# KiCad board Thermal_Camera.kicad_pcb (continued)
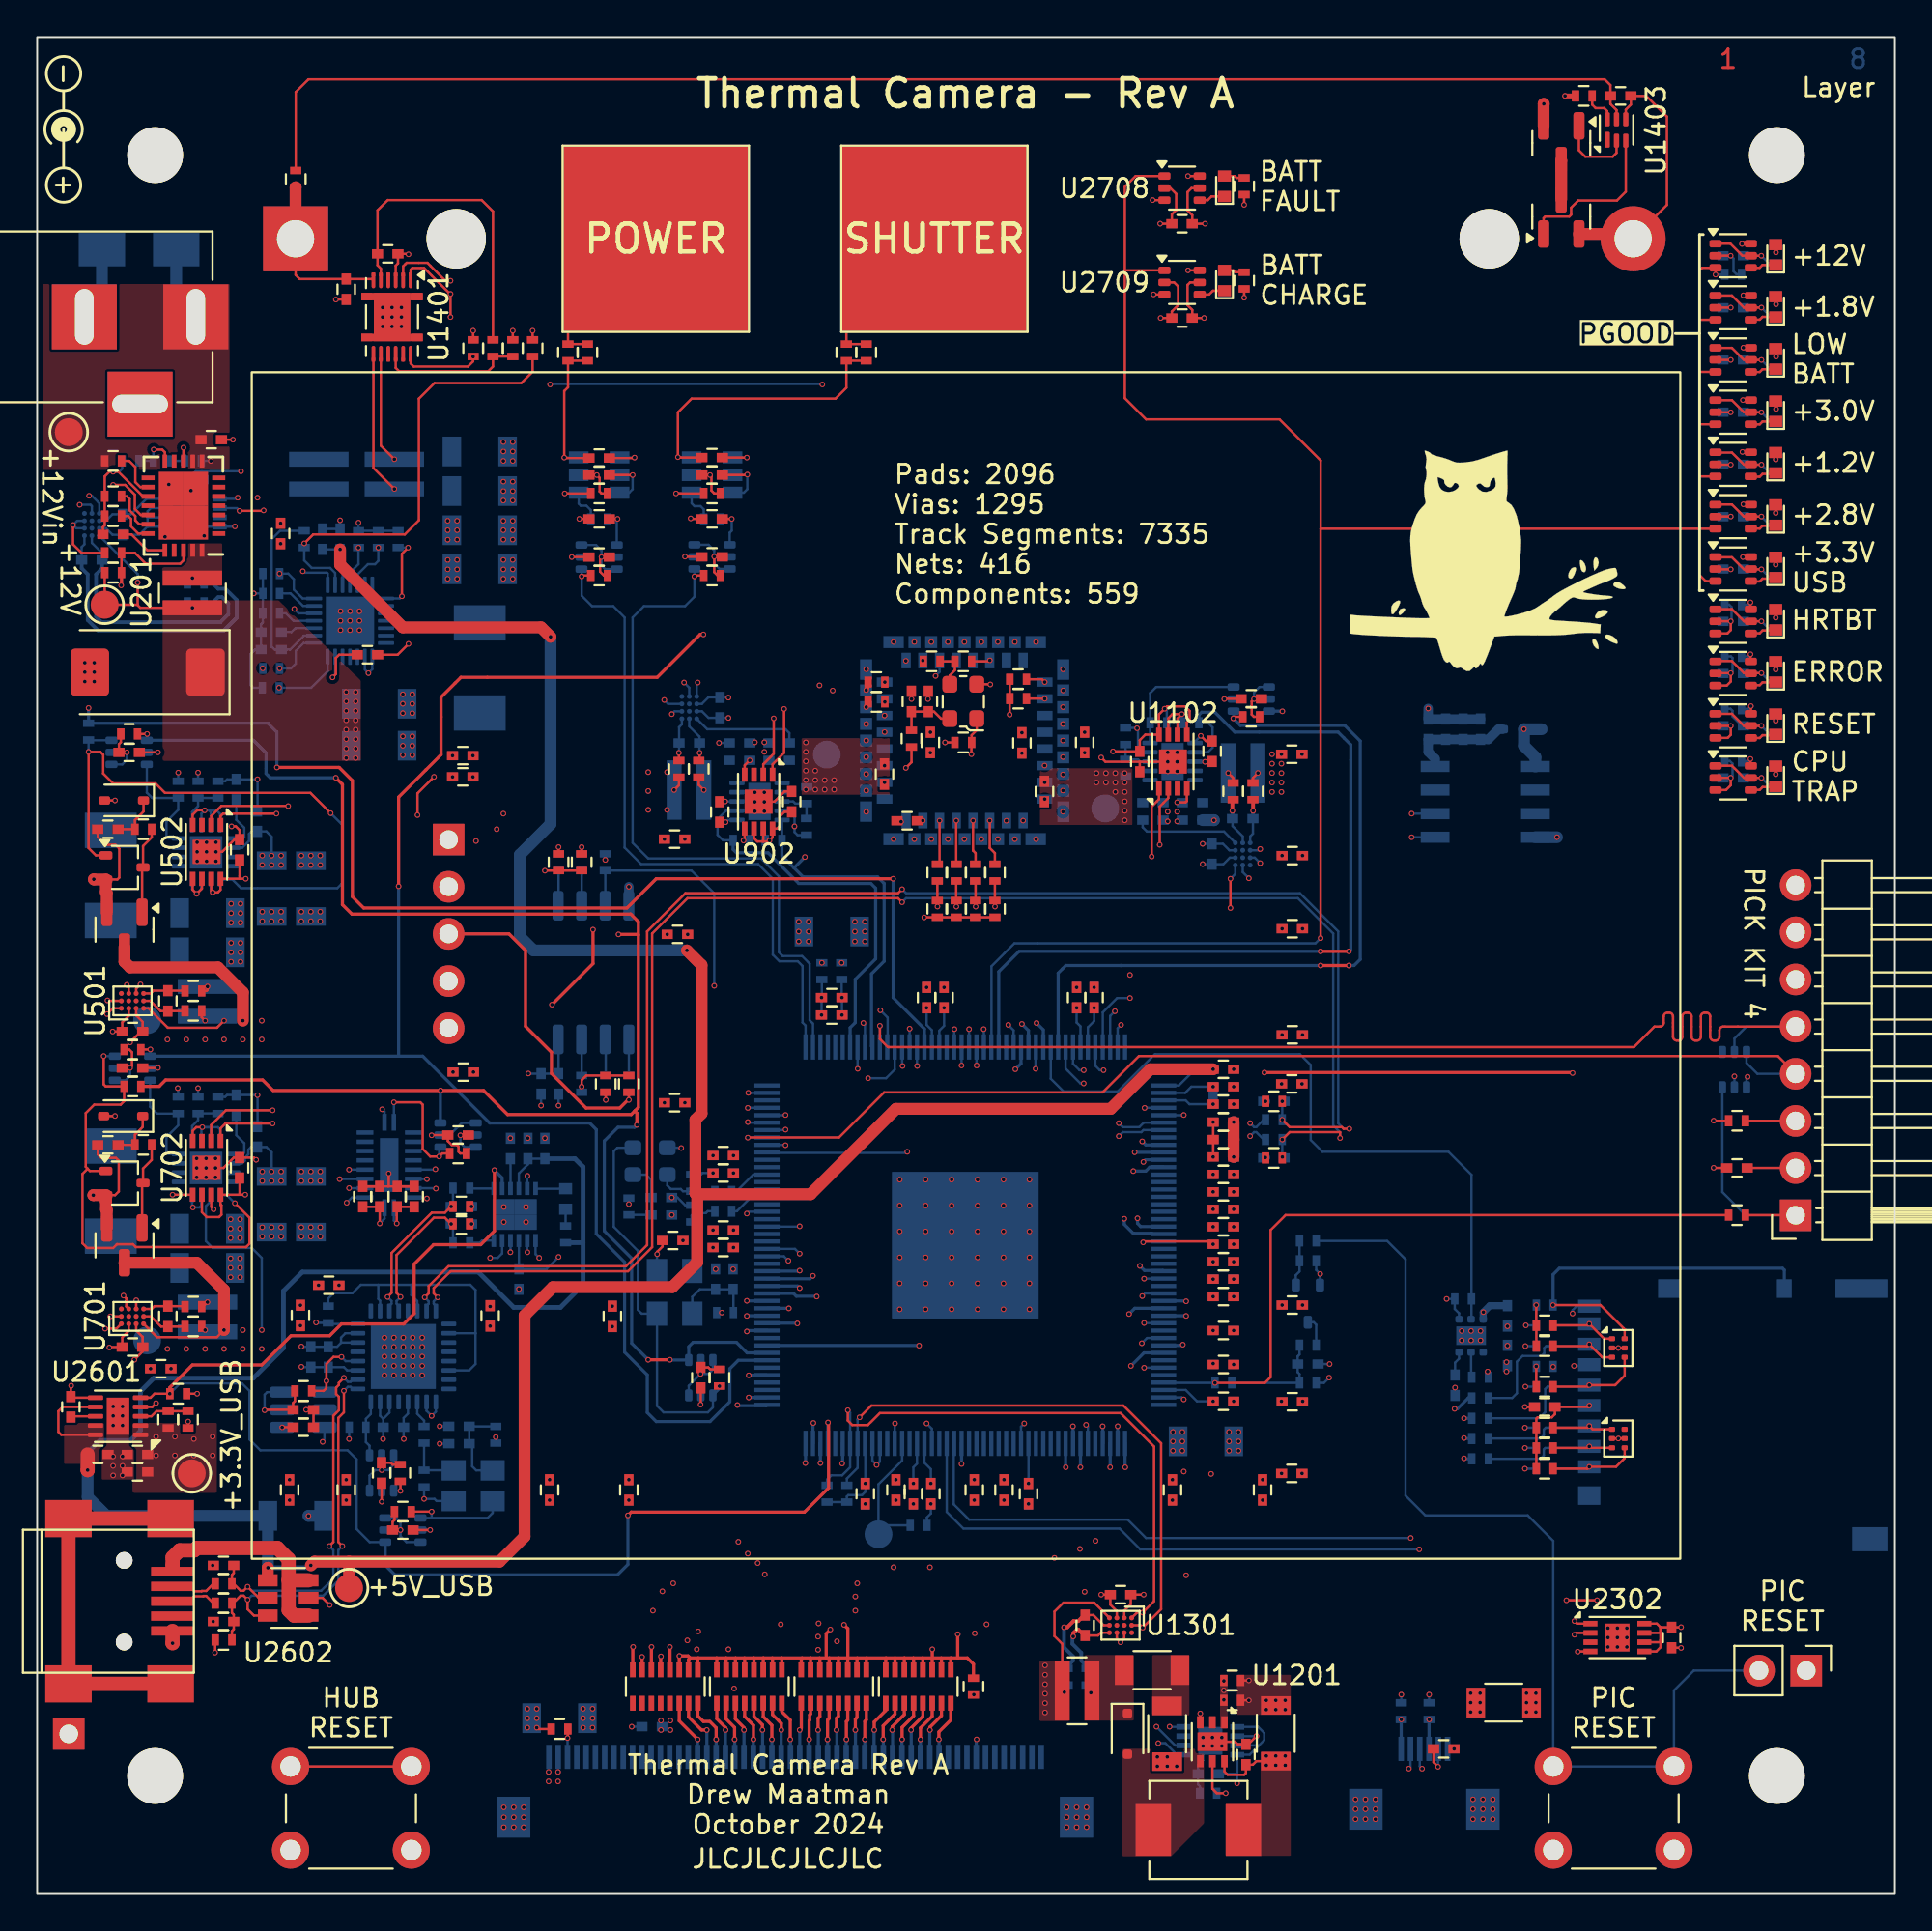
[diagram p0: board, top side]
## Routing (per net, layer and track width the routed paths; a pad name or vN(x,y) marks a point on that pad's centre or on a via; arc(x,y) is an arc through that point) (continued)
GNDA_MZ: length 1.9
  Bottom w0.127: v1(43.32,47.33) v1(43.32,48.27) 43.31,48.29 L1702.1
VBAT: length 14.7
  Top w0.127: U1401.8 18.5,77.99 v1(19.23,77.27) ; J1401.1 13.91,87.19 14.13,86.97 C1401.1 18.03,86.97 U1401.6
  Top w0.635: R1415.2 13.91,91.91 J1401.1
/Upstream USB Port/UFP_USB_CONN_USB+: length 2.6
  Top w0.127: J2601.3 8.19,15.76 8.45,16.03 8.95,16.03 8.97,16.05 9.1,16.05 9.48,15.66 R2602.1
/Upstream USB Port/UFP_USB_CONN_USB-: length 2.6
  Top w0.127: J2601.2 8.19,16.56 8.45,16.3 8.84,16.3 8.86,16.31 9.1,16.31 9.48,16.7 R2603.1
/USB UART/BRIDGE_USB+: length 1.3
  Bottom w0.127: U2201.12 23.95,35.19 23.83,35.06 23.28,35.06
/USB UART/BRIDGE_USB-: length 1.3
  Bottom w0.127: 23.28,38.01 23.31,37.99 U2201.1
BACKLIGHT_ANODE: length 8.4
  Top w0.127: R1205.2 55.18,13.46 54.76,13.88 54.76,15.2 55.25,15.68 56.9,15.68 U1301.D1
  Bottom w0.127: R1206.2 55.45,11.01 v1(55.3,10.86)
  vias: v1(54.25,12.31) v1(54.25,11.8) v1(54.25,11.29) v1(54.25,10.78) v1(54.25,10.27) v1(54.25,9.77)
BACKLIGHT_CATHODE:
  vias: v1(63.88,11.47) v1(63.88,10.96) v1(63.88,10.45)
BACKLIGHT_PWM: length 67.1
  Top w0.127: v1(63.98,5.42) 63.5,5.42 63.27,5.66 U1201.5
  In5.Cu w0.127: v1(46.84,39.97) 46.86,39.94 46.86,29.1 47.27,28.69 47.98,28.69 56.34,20.33 69.11,20.33 69.6,19.85 69.6,6.67 68.35,5.42 v1(63.98,5.42)
  Bottom w0.127: U1701.167 39.32,39.91 46.78,39.91 v1(46.84,39.97) ; R1201.2 v1(63.98,5.42)
BATT_IUSB: length 60
  In2.Cu w0.127: v1(13.02,64.96) 13.46,64.52 13.46,59.96 14.78,58.64 23.57,58.64 24.28,57.92 24.28,46.62 25.76,45.15 50.04,45.15 v1(50.57,44.62)
  Bottom w0.127: v1(13.02,64.96) 14.75,64.96 15.64,65.85 U1402.7 ; v1(50.57,44.62) 50.56,44.62 U1701.24
BATT_LOWBAT: length 134.2
  Top w0.127: U2703.6 91.85,83.27 v1(91.85,83.27) ; R1407.2 23.47,82.54 23.19,82.26 20.27,82.26 20.1,82.43 U1401.12
  In2.Cu w0.127: 26.82,81.24 26.82,48.02 28.09,46.75 43.52,46.75 44.11,47.33 45.05,47.33 45.22,47.17 50.35,47.17 v1(50.95,46.57) ; 26.82,81.24 27.56,81.24 v1(27.61,81.29) ; 26.82,81.24 26.82,81.55 25.58,82.79 v1(23.47,82.79) ; v1(42.27,81.29) 44.25,83.27 v1(91.85,83.27)
  Bottom w0.127: U1701.25 50.96,46.56 v1(50.95,46.57) ; v1(42.27,81.29) 42.24,81.32 27.64,81.32 v1(27.61,81.29)
BATT_SNS-: length 7.8
  Top w0.127: v1(19.23,75.67) 18.1,76.79 U1401.7
BRIDGE_USB_D+: length 8.3
  Top w0.127: v1(19.56,32.15) 19.35,32.36 19.35,34.41 21.35,36.42 21.95,36.42 v1(22.28,36.08) R2205.1
  Bottom w0.127: U2504.12 19.46,31.67 19.35,31.78 19.35,31.93 v1(19.56,32.15) ; v1(22.28,36.08) 22.38,35.98 R2203.1
BRIDGE_USB_D-: length 8.7
  Top w0.127: R2206.1 v1(22.28,37.02) 21.95,36.69 21.24,36.69 19.08,34.52 19.08,32.36 v1(18.86,32.15)
  Bottom w0.127: v1(18.86,32.15) 19.08,31.93 19.08,31.78 18.96,31.67 U2504.11 ; v1(22.28,37.02) 22.38,37.12 R2204.1
Cap_Touch_Power: length 37.1
  Top w0.127: v1(35.38,70.96) 35.43,71.01 R2909.1
  Bottom w0.127: U1701.2 41.76,46.87 41.58,47.05 41.58,50.1 41.17,50.51 40.13,50.51 39.93,50.71 39.93,54.8 38.96,55.77 32.89,55.77 32.05,56.6 32.05,68.75 32.66,69.35 34.87,69.35 35.38,69.86 v1(35.38,70.96) 35.38,71.36 U2903.4
Cap_Touch_Shutter: length 36.2
  Top w0.127: v1(29.31,70.96) 29.36,71.01 R2910.1
  Bottom w0.127: U1701.1 41.36,46.76 41.2,46.93 41.2,49.97 40.94,50.23 39.95,50.23 39.6,50.58 39.6,54.67 38.81,55.46 32.51,55.46 31.62,56.35 31.62,68.75 31.01,69.35 29.87,69.35 29.31,69.91 v1(29.31,70.96) 29.31,71.34 29.3,71.35
CHASSIS: length 19.9
  Top w0.762: J2601.6 J2601.6 J2601.6 J2601.6
CPU_Trap_LED: length 48.6
  Top w0.127: v1(92.23,61.13) 92.23,60.77 U2804.6
  In5.Cu w0.127: v1(58.83,48.25) 84.3,48.25 86.61,50.56 86.61,59.7 88.04,61.13 v1(92.23,61.13)
  Bottom w0.127: R2806.1 92.12,61.02 v1(92.23,61.13) ; U1701.41 57.36,47.47 58.13,48.25 v1(58.83,48.25)
Error_LED: length 54.2
  Top w0.127: U2802.6 92.23,66.4 v1(92.23,66.76)
  In5.Cu w0.127: v1(92.23,66.76) 87.45,66.76 85.98,65.29 85.98,50.64 84.12,48.78 58.5,48.78 58.01,48.3 v1(58.01,47.54)
  Bottom w0.127: v1(58.01,47.54) 57.76,47.28 U1701.42 ; R2802.1 92.11,66.65 v1(92.23,66.76)
FLASH_SPI_MISO: length 44.1
  Top w0.127: R2021.2 v1(29.31,56.38)
  Top w0.169: v1(27.71,47.89) 29.92,50.1 v1(29.92,51.93)
  In5.Cu w0.169: v1(29.92,51.93) 29.92,56.15 29.69,56.38 v1(29.31,56.38) 29.31,50.66 30.4,49.57 36.5,49.57 37.74,48.32 37.74,44.72 38.33,44.13 40.36,44.13 41.1,43.4 41.1,40.58 40.84,40.32 v1(40.28,40.32) ; J2002.4 26.44,49.16 v1(27.71,47.89)
  Bottom w0.127: v1(40.28,40.32) 40.27,40.34 U1701.168 ; v1(29.31,56.38) R2021.2
FLASH_SPI_MOSI: length 41.9
  Top w0.127: R2022.2 v1(31.85,42.76)
  Top w0.169: J2002.3 25.4,51.7 26.29,50.81 26.29,46.72 27.69,45.33 27.69,44.18 29.55,42.32 31.36,42.32 31.8,42.76 v1(31.85,42.76)
  In5.Cu w0.169: v1(38.25,42.33) 35.99,42.33 35.59,42.74 35.59,46.98 35.26,47.31 34.64,47.31 arc(34.52,47.36) 34.47,47.47 34.47,47.78 arc(34.42,47.9) 34.31,47.95 34.23,47.95 arc(34.11,47.9) 34.06,47.78 34.06,47.47 arc(34.01,47.36) 33.9,47.31 33.82,47.31 arc(33.7,47.36) 33.65,47.47 33.65,47.78 arc(33.6,47.9) 33.49,47.95 33.41,47.95 arc(33.29,47.9) 33.24,47.78 33.24,47.47 arc(33.19,47.36) 33.08,47.31 33,47.31 arc(32.88,47.36) 32.83,47.47 32.83,47.78 arc(32.78,47.9) 32.67,47.95 32.59,47.95 arc(32.47,47.9) 32.42,47.78 32.42,47.47 arc(32.37,47.36) 32.26,47.31 31.85,46.9 31.85,46.78 arc(31.8,46.66) 31.69,46.62 31.38,46.62 arc(31.26,46.57) 31.21,46.45 31.21,46.37 arc(31.26,46.25) 31.38,46.21 31.69,46.21 arc(31.8,46.16) 31.85,46.04 31.85,45.96 arc(31.8,45.84) 31.69,45.8 31.38,45.8 arc(31.26,45.75) 31.21,45.63 31.21,45.55 arc(31.26,45.43) 31.38,45.39 31.69,45.39 arc(31.8,45.34) 31.85,45.22 31.85,45.14 arc(31.8,45.02) 31.69,44.98 31.38,44.98 arc(31.26,44.93) 31.21,44.81 31.21,44.73 arc(31.26,44.61) 31.38,44.57 31.69,44.57 arc(31.8,44.52) 31.85,44.4 31.85,44.32 arc(31.8,44.2) 31.69,44.16 31.38,44.16 arc(31.26,44.11) 31.21,43.99 31.21,43.91 arc(31.26,43.79) 31.38,43.75 31.69,43.75 arc(31.8,43.7) 31.85,43.58 31.85,43.5 arc(31.8,43.38) 31.69,43.34 31.38,43.34 arc(31.26,43.29) 31.21,43.17 31.21,43.09 arc(31.26,42.97) 31.38,42.93 31.69,42.93 arc(31.8,42.88) v1(31.85,42.76)
  Bottom w0.127: U1701.173 38.26,42.34 v1(38.25,42.33) ; v1(31.85,42.76) R2022.2
FLASH_SPI_SCK: length 44.4
  Top w0.127: R2023.2 v1(30.61,42.76)
  In5.Cu w0.169: J2002.2 26.49,54.24 27.41,53.33 27.41,49.26 30.61,46.06 v1(30.61,42.76) 30.61,42.74 arc(30.66,42.61) 30.8,42.55 31.32,42.55 arc(31.45,42.5) 31.51,42.37 31.51,42.27 arc(31.45,42.14) 31.32,42.08 29.8,42.08 arc(29.66,42.03) 29.61,41.9 29.61,41.8 arc(29.66,41.67) 29.8,41.61 31.42,41.61 arc(31.55,41.56) 31.61,41.43 31.61,41.33 arc(31.55,41.2) 31.42,41.14 29.8,41.14 arc(29.66,41.09) 29.61,40.96 29.61,40.86 arc(29.66,40.73) 29.8,40.67 31.42,40.67 arc(31.55,40.62) 31.61,40.49 31.61,40.39 arc(31.55,40.26) 31.42,40.2 29.8,40.2 arc(29.66,40.15) 29.61,40.02 29.61,39.92 arc(29.66,39.79) 29.8,39.73 30.42,39.73 arc(30.55,39.68) 30.61,39.55 30.61,36.82 31.57,35.85 34.77,35.85 35.56,36.64 v1(38.2,36.64)
  Bottom w0.127: v1(30.61,42.76) R2023.2 ; U1701.159 38.3,36.74 v1(38.2,36.64)
FLIR_CLK: length 0.1
  Top w0.127: v1(47.68,66.42) 47.7,66.4 R2415.2
FLIR_CLK_EN: length 21.7
  Top w0.127: v1(50.29,61.38) 50.29,62 R2401.1 50.3,62.41 50.58,62.68 50.58,63.3
  In5.Cu w0.127: v1(45.39,47.59) 45.06,47.92 45.06,57.65 47.04,59.63 49.53,59.63 50.29,60.39 v1(50.29,61.38)
  Bottom w0.127: U1701.12 45.78,45.63 45.78,47.19 v1(45.39,47.59)
FLIR_VOSPI_CLK: length 35.8
  Top w0.127: R2412.2 R2403.2 49.47,53.18 v1(49.48,53.18)
  In5.Cu w0.169: v1(49.48,53.18) 50.83,51.83 arc(50.89,51.67) 50.83,51.52 50.43,51.12 arc(50.37,50.96) 50.43,50.81 50.51,50.73 arc(50.66,50.67) 50.82,50.73 51.22,51.13 arc(51.37,51.19) 51.53,51.13 51.61,51.05 arc(51.67,50.89) 51.61,50.74 51.21,50.34 arc(51.14,50.19) 51.21,50.03 51.29,49.95 arc(51.44,49.89) 51.6,49.95 51.99,50.35 arc(52.15,50.41) 52.31,50.35 52.38,50.27 arc(52.45,50.12) 52.38,49.96 51.99,49.56 arc(51.92,49.41) 51.99,49.25 52.06,49.18 arc(52.22,49.11) 52.38,49.18 52.77,49.57 arc(52.93,49.64) 53.08,49.57 53.7,48.96 53.7,47.76 54.43,47.03 54.43,32.6 56.29,30.75 v1(59.59,30.75)
  Bottom w0.127: v1(59.59,30.75) 59.6,30.74 U1701.77
FLIR_VOSPI_MISO: length 36.4
  Top w0.127: v1(50.52,53.18) 50.51,53.18 R2405.2 R2411.2
  In5.Cu w0.169: v1(50.52,53.18) 50.52,53.76 50.34,53.94 49.33,53.94 48.97,53.58 48.97,52.82 48.03,51.88 47.4,51.88 46.81,51.29 arc(46.63,51.22) 46.44,51.29 46.1,51.63 arc(45.92,51.71) 45.74,51.63 45.64,51.54 arc(45.57,51.36) 45.64,51.17 45.98,50.83 arc(46.06,50.65) 45.98,50.47 45.87,50.36 45.87,25.64 v1(46.18,25.34)
  Bottom w0.127: v1(46.18,25.34) 46.16,25.32 U1701.120
FLIR_VOSPI_MOSI: length 35.8
  Top w0.127: R2410.2 R2407.2 51.56,53.18 v1(51.56,53.18)
  In5.Cu w0.169: v1(59.59,33.13) 56.24,33.13 54.97,34.4 54.97,47.23 54.18,48.02 54.18,50.51 arc(54.07,50.55) 53.95,50.51 53.65,50.2 arc(53.53,50.16) 53.42,50.2 53.37,50.26 arc(53.32,50.37) 53.37,50.49 54.2,51.32 arc(54.25,51.43) 54.2,51.55 54.14,51.6 arc(54.03,51.65) 53.92,51.6 53.08,50.77 arc(52.97,50.72) 52.86,50.77 52.8,50.83 arc(52.75,50.94) 52.8,51.05 53.63,51.89 arc(53.68,52) 53.63,52.11 53.58,52.17 arc(53.46,52.22) 53.35,52.17 52.52,51.34 arc(52.4,51.29) 52.29,51.34 52.23,51.39 arc(52.19,51.51) 52.23,51.62 53.07,52.45 arc(53.11,52.57) 53.07,52.68 53.01,52.74 arc(52.9,52.78) 52.79,52.74 52.48,52.43 arc(52.37,52.38) 52.25,52.43 51.56,53.12 v1(51.56,53.18)
  Bottom w0.127: U1701.71 59.59,33.14 v1(59.59,33.13)
FLIR_VOSPI_VSYNC: length 44.4
  Top w0.127: R2404.1 R2414.2 52.35,64.37 v1(52.35,63.51)
  In5.Cu w0.169: v1(59.46,29.65) 60.6,29.65 61.39,30.44 61.39,34.68 60.53,35.55 57.71,35.55 56.92,36.33 56.92,46.9 57.45,47.43 57.45,54.57 52.35,59.68 v1(52.35,63.51)
  Bottom w0.127: U1701.79 59.74,29.94 v1(59.46,29.65)
GLCD_B0: length 46.7
  Top w0.169: RN2101.16 49.18,9.36 48.54,8.72 v1(48.54,8.32)
  In2.Cu w0.169: v1(48.54,8.32) 48.54,8.52 arc(48.58,8.62) 48.69,8.67 49.72,8.67 arc(49.83,8.71) 49.87,8.81 49.87,8.89 arc(49.83,8.99) 49.72,9.04 48.69,9.04 arc(48.58,9.08) 48.54,9.18 48.54,9.26 arc(48.58,9.36) 48.69,9.41 49.72,9.41 arc(49.83,9.45) 49.87,9.55 49.87,9.63 arc(49.83,9.73) 49.72,9.78 48.69,9.78 arc(48.58,9.82) 48.54,9.92 48.54,10 arc(48.58,10.1) 48.69,10.15 49.72,10.15 arc(49.83,10.19) 49.87,10.29 49.87,10.37 arc(49.83,10.47) 49.72,10.52 48.69,10.52 arc(48.58,10.56) 48.54,10.66 48.54,10.74 arc(48.58,10.84) 48.69,10.89 49.72,10.89 arc(49.83,10.93) 49.87,11.03 49.87,11.11 arc(49.83,11.21) 49.72,11.26 48.69,11.26 arc(48.58,11.3) 48.54,11.4 48.54,12.03 arc(48.64,12.07) 48.75,12.03 48.84,11.93 arc(48.95,11.89) 49.05,11.93 49.11,11.98 arc(49.15,12.09) 49.11,12.19 49.01,12.29 arc(48.97,12.39) 49.01,12.5 49.06,12.55 arc(49.17,12.59) 49.27,12.55 50,11.82 arc(50.11,11.78) 50.21,11.82 50.26,11.87 arc(50.31,11.98) 50.26,12.08 49.53,12.81 arc(49.49,12.92) 49.53,13.02 49.63,13.12 50.47,13.12 arc(50.58,13.08) 50.62,12.97 50.62,12.59 arc(50.66,12.48) 50.77,12.44 50.84,12.44 arc(50.95,12.48) 50.99,12.59 50.99,12.97 arc(51.03,13.08) 51.14,13.12 53.57,13.12 arc(53.71,13.18) 53.77,13.32 53.77,13.87 arc(53.83,14.01) 53.97,14.07 54.07,14.07 arc(54.21,14.01) 54.27,13.87 54.27,13.32 arc(54.33,13.18) 54.47,13.12 54.57,13.12 arc(54.71,13.18) 54.77,13.32 54.77,13.72 arc(54.83,13.86) 54.97,13.92 55.07,13.92 arc(55.21,13.86) 55.27,13.72 55.27,13.32 arc(55.33,13.18) 55.47,13.12 55.7,13.12 56.48,13.9 arc(56.54,14.04) 56.48,14.18 56.06,14.6 arc(56,14.75) 56.06,14.89 56.13,14.96 arc(56.27,15.02) 56.41,14.96 56.83,14.53 arc(56.97,14.47) 57.12,14.53 57.19,14.6 arc(57.25,14.75) 57.19,14.89 56.76,15.31 arc(56.7,15.45) 56.76,15.59 56.83,15.66 arc(56.97,15.72) 57.12,15.66 57.54,15.24 arc(57.68,15.18) 57.82,15.24 58.57,15.99 v1(58.57,22.97)
  Bottom w0.169: v1(58.57,22.97) 58.56,22.99 U1701.89 ; v1(48.54,8.32) 48.55,8.31 J2101.12
GLCD_B1: length 41.6
  Top w0.169: v1(48.06,8.83) 48.06,8.98 48.68,9.6 RN2101.15
  In2.Cu w0.169: v1(55.37,22.97) 55.37,17.48 arc(55.33,17.38) 55.22,17.33 54.89,17.33 arc(54.79,17.29) 54.74,17.18 54.74,17.1 arc(54.79,17) 54.89,16.95 55.22,16.95 arc(55.33,16.91) 55.37,16.8 55.37,15.94 55.31,15.87 arc(55.2,15.83) 55.09,15.87 53.84,17.13 arc(53.73,17.18) 53.62,17.13 53.57,17.08 arc(53.52,16.97) 53.57,16.86 54.82,15.61 arc(54.87,15.5) 54.82,15.39 54.77,15.34 arc(54.66,15.29) 54.56,15.34 53.3,16.59 arc(53.19,16.64) 53.08,16.59 53.03,16.54 arc(52.99,16.43) 53.03,16.32 54.29,15.07 arc(54.33,14.96) 54.29,14.85 54.23,14.8 arc(54.13,14.76) 54.02,14.8 53.12,15.7 arc(53.01,15.75) 52.9,15.7 52.85,15.65 arc(52.8,15.54) 52.85,15.43 53.75,14.53 arc(53.79,14.42) 53.75,14.32 53.7,14.26 arc(53.59,14.22) 53.48,14.26 53.11,14.63 arc(53,14.68) 52.89,14.63 52.84,14.58 arc(52.8,14.47) 52.84,14.37 53.21,13.99 arc(53.26,13.89) 53.21,13.78 52.91,13.47 52.39,13.47 arc(52.28,13.52) 52.24,13.63 52.24,15.4 arc(52.19,15.51) 52.08,15.55 52.01,15.55 arc(51.9,15.51) 51.86,15.4 51.86,13.63 arc(51.81,13.52) 51.7,13.47 51.63,13.47 arc(51.52,13.52) 51.48,13.63 51.48,13.9 arc(51.43,14.01) 51.32,14.05 51.25,14.05 arc(51.14,14.01) 51.1,13.9 51.1,13.63 arc(51.05,13.52) 50.94,13.47 49.28,13.47 48.06,12.26 v1(48.06,8.83)
  Bottom w0.169: U1701.97 55.36,22.98 v1(55.37,22.97) ; J2101.13 48.05,8.82 v1(48.06,8.83)
GLCD_B2: length 45
  Top w0.169: v1(47.55,8.32) 47.55,8.94 48.18,9.57 RN2101.14
  In2.Cu w0.169: v1(40.46,31.53) 40.59,31.53 41.66,32.61 42.36,32.61 42.8,32.17 42.8,26.15 44.6,24.35 44.6,23.05 45.19,22.47 45.19,20.08 47.55,17.72 47.55,17.2 arc(47.59,17.1) 47.7,17.05 48.72,17.05 arc(48.82,17.01) 48.87,16.9 48.87,16.82 arc(48.82,16.72) 48.72,16.67 47.7,16.67 arc(47.59,16.63) 47.55,16.52 47.55,16.44 arc(47.59,16.34) 47.7,16.29 48.72,16.29 arc(48.82,16.25) 48.87,16.14 48.87,16.06 arc(48.82,15.96) 48.72,15.91 47.7,15.91 arc(47.59,15.87) 47.55,15.76 47.55,15.68 arc(47.59,15.58) 47.7,15.53 48.72,15.53 arc(48.82,15.49) 48.87,15.38 48.87,15.3 arc(48.82,15.2) 48.72,15.15 47.7,15.15 arc(47.59,15.11) 47.55,15 47.55,14.92 arc(47.59,14.82) 47.7,14.77 48.72,14.77 arc(48.82,14.73) 48.87,14.62 48.87,14.54 arc(48.82,14.44) 48.72,14.39 47.7,14.39 arc(47.59,14.35) 47.55,14.24 47.55,14.16 arc(47.59,14.06) 47.7,14.01 48.72,14.01 arc(48.82,13.97) 48.87,13.86 48.87,13.78 arc(48.82,13.68) 48.72,13.63 47.7,13.63 arc(47.59,13.59) 47.55,13.48 v1(47.55,8.32)
  Bottom w0.169: J2101.14 v1(47.55,8.32) ; v1(40.46,31.53) 40.46,31.54 U1701.146
GLCD_B3: length 47.1
  Top w0.169: RN2101.13 47.68,9.57 47.04,8.93 v1(47.04,8.83)
  In2.Cu w0.169: v1(42.16,23.2) 42.16,23.69 42.27,23.79 43.79,23.79 43.92,23.66 43.92,20.49 44.08,20.32 arc(44.12,20.23) 44.08,20.14 43.15,19.21 arc(43.11,19.12) 43.15,19.03 43.19,18.99 arc(43.28,18.95) 43.37,18.99 44.3,19.92 arc(44.39,19.95) 44.49,19.92 44.53,19.87 arc(44.57,19.78) 44.53,19.69 43.6,18.76 arc(43.56,18.67) 43.6,18.58 43.65,18.53 arc(43.74,18.5) 43.83,18.53 44.76,19.46 arc(44.85,19.5) 44.94,19.46 44.98,19.42 arc(45.02,19.33) 44.98,19.24 44.05,18.31 arc(44.02,18.22) 44.05,18.13 44.1,18.08 arc(44.19,18.04) 44.28,18.08 45.21,19.01 arc(45.3,19.05) 45.39,19.01 45.44,18.97 arc(45.47,18.88) 45.44,18.79 44.51,17.86 arc(44.47,17.77) 44.51,17.68 44.55,17.63 arc(44.64,17.59) 44.73,17.63 45.66,18.56 arc(45.75,18.6) 45.84,18.56 47.04,17.36 47.04,15.91 arc(46.99,15.8) 46.88,15.75 46.25,15.75 arc(46.14,15.7) 46.09,15.58 46.09,15.5 arc(46.14,15.39) 46.25,15.34 46.88,15.34 arc(46.99,15.29) 47.04,15.17 47.04,15.09 arc(46.99,14.98) 46.88,14.93 46.25,14.93 arc(46.14,14.88) 46.09,14.76 46.09,14.68 arc(46.14,14.57) 46.25,14.52 46.88,14.52 arc(46.99,14.47) 47.04,14.35 47.04,14.27 arc(46.99,14.16) 46.88,14.11 46.25,14.11 arc(46.14,14.06) 46.09,13.94 46.09,13.86 arc(46.14,13.75) 46.25,13.7 46.88,13.7 arc(46.99,13.65) 47.04,13.53 47.04,13.45 arc(46.99,13.34) 46.88,13.29 46.25,13.29 arc(46.14,13.24) 46.09,13.12 46.09,13.04 arc(46.14,12.93) 46.25,12.88 46.88,12.88 arc(46.99,12.83) 47.04,12.71 47.04,12.63 arc(46.99,12.52) 46.88,12.47 46.25,12.47 arc(46.14,12.42) 46.09,12.3 46.09,12.22 arc(46.14,12.11) 46.25,12.06 46.88,12.06 arc(46.99,12.01) 47.04,11.89 47.04,11.81 arc(46.99,11.7) 46.88,11.65 46.25,11.65 arc(46.14,11.6) 46.09,11.48 46.09,11.4 arc(46.14,11.29) 46.25,11.24 46.88,11.24 arc(46.99,11.19) 47.04,11.07 47.04,10.99 arc(46.99,10.88) 46.88,10.83 46.25,10.83 arc(46.14,10.78) 46.09,10.66 46.09,10.58 arc(46.14,10.47) 46.25,10.42 46.88,10.42 arc(46.99,10.37) 47.04,10.25 47.04,10.17 arc(46.99,10.06) 46.88,10.01 46.35,10.01 arc(46.24,9.96) 46.19,9.84 46.19,9.76 arc(46.24,9.65) 46.35,9.6 46.88,9.6 arc(46.99,9.55) 47.04,9.43 v1(47.04,8.83)
  Bottom w0.169: v1(42.16,23.2) 42.16,23.21 U1701.130 ; J2101.15 47.05,8.82 v1(47.04,8.83)
GLCD_B4: length 46.2
  Top w0.169: v1(46.56,8.32) 46.56,8.96 47.18,9.58 RN2101.12
  In2.Cu w0.169: v1(41.05,33.57) 41.21,33.73 42.56,33.73 arc(42.73,33.66) 42.89,33.73 43.27,34.1 arc(43.43,34.17) 43.6,34.1 43.68,34.02 arc(43.75,33.86) 43.68,33.69 43.3,33.32 arc(43.23,33.15) 43.3,32.99 43.43,32.86 43.43,31.6 arc(43.5,31.43) 43.67,31.36 44.2,31.36 arc(44.37,31.3) 44.43,31.13 44.43,31.02 arc(44.37,30.85) 44.2,30.78 43.67,30.78 arc(43.5,30.72) 43.43,30.55 43.43,30.44 arc(43.5,30.27) 43.67,30.2 44.2,30.2 arc(44.37,30.14) 44.43,29.97 44.43,29.86 arc(44.37,29.69) 44.2,29.62 43.67,29.62 arc(43.5,29.56) 43.43,29.39 43.43,29.28 arc(43.5,29.11) 43.67,29.04 44.2,29.04 arc(44.37,28.98) 44.43,28.81 44.43,28.7 arc(44.37,28.53) 44.2,28.46 43.67,28.46 arc(43.5,28.4) 43.43,28.23 43.43,27.37 43.88,26.92 arc(44.04,26.86) 44.21,26.92 44.59,27.3 arc(44.75,27.37) 44.91,27.3 45,27.22 arc(45.06,27.06) 45,26.89 44.62,26.51 arc(44.55,26.35) 44.62,26.18 44.7,26.1 arc(44.86,26.03) 45.03,26.1 45.41,26.48 arc(45.57,26.55) 45.73,26.48 45.82,26.4 arc(45.88,26.24) 45.82,26.07 45.44,25.69 arc(45.37,25.53) 45.44,25.36 45.8,25 45.75,24.95 45.75,20.23 48.06,17.92 v1(48.06,17.59) ; v1(46.1,17.59) 45.82,17.31 45.82,9.65 46.56,8.91 v1(46.56,8.32)
  In5.Cu w0.169: v1(46.1,17.59) v1(48.06,17.59)
  Bottom w0.169: v1(41.05,33.57) 41.02,33.54 U1701.151 ; v1(46.56,8.32) 46.55,8.31 J2101.16
GLCD_B5: length 49.8
  Top w0.169: v1(46.02,8.83) 46.02,9 46.68,9.66 RN2101.11
  In2.Cu w0.169: v1(57.35,25.18) 57.35,24.14 57.63,23.86 58.52,23.86 59.03,23.36 59.03,15.81 55.98,12.76 53.85,12.76 arc(53.75,12.72) 53.72,12.63 53.72,11.41 arc(53.68,11.31) 53.58,11.27 53.52,11.27 arc(53.42,11.31) 53.39,11.41 53.39,12.63 arc(53.35,12.72) 53.25,12.76 53.19,12.76 arc(53.09,12.72) 53.06,12.63 53.06,11.41 arc(53.02,11.31) 52.92,11.27 52.86,11.27 arc(52.76,11.31) 52.73,11.41 52.73,12.63 arc(52.69,12.72) 52.59,12.76 52.45,12.76 51.91,12.23 arc(51.87,12.13) 51.91,12.04 52.18,11.77 arc(52.22,11.68) 52.18,11.59 52.13,11.54 arc(52.04,11.5) 51.95,11.54 51.68,11.81 arc(51.59,11.84) 51.49,11.81 51.23,11.54 51.23,11.16 arc(51.27,11.07) 51.36,11.03 51.79,11.03 arc(51.88,10.99) 51.92,10.9 51.92,10.83 arc(51.88,10.74) 51.79,10.7 51.36,10.7 arc(51.27,10.66) 51.23,10.57 51.23,10.5 arc(51.27,10.41) 51.36,10.37 52.59,10.37 arc(52.68,10.33) 52.72,10.24 52.72,10.17 arc(52.68,10.08) 52.59,10.04 51.36,10.04 arc(51.27,10) 51.23,9.91 51.23,9.84 arc(51.27,9.75) 51.36,9.71 52.59,9.71 arc(52.68,9.67) 52.72,9.58 52.72,9.51 arc(52.68,9.42) 52.59,9.38 51.36,9.38 arc(51.27,9.34) 51.23,9.25 51.23,9.18 arc(51.27,9.09) 51.36,9.05 52.59,9.05 arc(52.68,9.01) 52.72,8.92 52.72,8.85 arc(52.68,8.76) 52.59,8.72 51.36,8.72 arc(51.27,8.68) 51.23,8.59 51.23,8.36 50.63,7.76 46.2,7.76 46.02,7.94 v1(46.02,8.83)
  Bottom w0.169: J2101.17 46.05,8.8 v1(46.02,8.83) ; U1701.92 57.36,25.18 v1(57.35,25.18)
GLCD_B6: length 49.8
  Top w0.169: RN2101.10 46.18,9.69 45.54,9.06 v1(45.54,8.32)
  In2.Cu w0.169: v1(58.88,28.44) 58.88,24.47 59.56,23.79 59.56,16.98 60,16.54 60,13.05 59.69,12.74 arc(59.53,12.67) 59.36,12.74 58.99,13.11 arc(58.82,13.18) 58.65,13.11 58.56,13.03 arc(58.49,12.86) 58.56,12.69 58.93,12.32 arc(59,12.15) 58.93,11.98 58.85,11.89 arc(58.68,11.82) 58.51,11.89 58.14,12.26 arc(57.97,12.33) 57.8,12.26 57.72,12.18 arc(57.64,12.01) 57.72,11.84 58.08,11.47 arc(58.15,11.3) 58.08,11.13 57.98,11.02 arc(57.82,10.96) 57.66,11.02 arc(57.5,11.09) 57.34,11.02 57.23,10.92 arc(57.17,10.76) 57.23,10.6 arc(57.3,10.44) 57.23,10.28 57.15,10.2 arc(56.98,10.13) 56.81,10.2 56.65,10.35 arc(56.48,10.42) 56.31,10.35 56.23,10.27 arc(56.16,10.1) 56.23,9.93 56.39,9.77 arc(56.46,9.6) 56.39,9.43 56.3,9.35 arc(56.13,9.28) 55.96,9.35 55.59,9.72 arc(55.42,9.79) 55.25,9.72 55.17,9.63 arc(55.1,9.46) 55.17,9.29 55.54,8.92 arc(55.61,8.76) 55.54,8.59 55.45,8.5 arc(55.28,8.43) 55.11,8.5 54.75,8.87 arc(54.58,8.94) 54.41,8.87 54.32,8.78 arc(54.25,8.61) 54.32,8.44 54.69,8.08 arc(54.76,7.91) 54.69,7.74 54.23,7.28 53.73,7.28 arc(53.56,7.35) 53.49,7.52 53.49,8.04 arc(53.42,8.21) 53.25,8.28 53.13,8.28 arc(52.96,8.21) 52.89,8.04 52.89,7.52 arc(52.82,7.35) 52.65,7.28 52.53,7.28 arc(52.36,7.35) 52.29,7.52 52.29,8.04 arc(52.22,8.21) 52.05,8.28 51.93,8.28 arc(51.76,8.21) 51.69,8.04 51.69,7.52 arc(51.62,7.35) 51.45,7.28 45.85,7.28 45.54,7.58 v1(45.54,8.32)
  Bottom w0.169: v1(45.54,8.32) 45.55,8.31 J2101.18 ; U1701.81 59.58,29.14 v1(58.88,28.44)
GLCD_B7: length 37.5
  Top w0.169: RN2101.9 45.68,9.88 45.06,9.26 v1(45.06,8.83)
  In2.Cu w0.169: v1(45.06,8.83) 45.06,9.57 arc(45.1,9.67) 45.2,9.72 arc(45.31,9.76) 45.35,9.86 45.35,10.02 arc(45.31,10.12) 45.2,10.17 arc(45.1,10.21) 45.06,10.31 45.06,10.47 arc(45.1,10.57) 45.2,10.62 arc(45.31,10.66) 45.35,10.76 45.35,10.92 arc(45.31,11.02) 45.2,11.07 arc(45.1,11.11) 45.06,11.21 45.06,11.37 arc(45.1,11.47) 45.2,11.52 arc(45.31,11.56) 45.35,11.66 45.35,11.82 arc(45.31,11.92) 45.2,11.97 arc(45.1,12.01) 45.06,12.11 45.06,12.27 arc(45.1,12.37) 45.2,12.42 arc(45.31,12.46) 45.35,12.56 45.35,12.72 arc(45.31,12.82) 45.2,12.87 arc(45.1,12.91) 45.06,13.01 45.06,13.17 arc(45.1,13.27) 45.2,13.32 arc(45.31,13.36) 45.35,13.46 45.35,13.62 arc(45.31,13.72) 45.2,13.77 arc(45.1,13.81) 45.06,13.91 45.06,14.07 arc(45.1,14.17) 45.2,14.22 arc(45.31,14.26) 45.35,14.36 45.35,14.52 arc(45.31,14.62) 45.2,14.67 arc(45.1,14.71) 45.06,14.81 45.06,15.81 44.9,15.97 arc(44.86,16.07) 44.9,16.18 arc(44.94,16.28) 44.9,16.38 44.79,16.49 arc(44.68,16.54) 44.58,16.49 arc(44.48,16.45) 44.38,16.49 v1(44.15,16.73) ; v1(38.3,27.93) 38.3,27.56 34.24,23.49 v1(34.24,16.73)
  In5.Cu w0.169: v1(44.15,16.73) v1(34.24,16.73)
  Bottom w0.169: U1701.137 38.31,27.94 v1(38.3,27.93) ; J2101.19 45.05,8.82
GLCD_G0: length 38.3
  Top w0.169: v1(44.55,8.32) 44.55,9.28 44.63,9.36 RN2102.16
  In2.Cu w0.169: v1(44.04,16.01) 44.55,15.51 v1(44.55,8.32) ; v1(33.66,16.29) 33.66,23.61 37.59,27.55 37.59,29.68 v1(38.2,30.29)
  In5.Cu w0.169: v1(33.66,16.29) 33.93,16.01 v1(44.04,16.01)
  Bottom w0.169: v1(44.55,8.32) 44.55,8.32 J2101.20 ; U1701.143 38.25,30.34 v1(38.2,30.29)
GLCD_G1: length 46.8
  Top w0.169: v1(44.04,8.83) 44.04,9.41 44.13,9.5 RN2102.15
  In2.Cu w0.169: v1(38.2,31.13) 36.98,29.91 36.98,28.24 35.65,26.91 arc(35.5,26.85) 35.35,26.91 35.2,27.05 arc(35.05,27.12) 34.9,27.05 34.83,26.98 arc(34.77,26.83) 34.83,26.68 34.97,26.53 arc(35.04,26.38) 34.97,26.23 34.9,26.16 arc(34.75,26.1) 34.6,26.16 34.45,26.3 arc(34.3,26.37) 34.15,26.3 34.08,26.23 arc(34.02,26.08) 34.08,25.93 34.22,25.78 arc(34.29,25.63) 34.22,25.48 34.15,25.41 arc(34,25.35) 33.85,25.41 33.7,25.55 arc(33.55,25.62) 33.4,25.55 33.33,25.48 arc(33.27,25.33) 33.33,25.18 33.47,25.03 arc(33.54,24.88) 33.47,24.73 33.17,24.43 33.17,15.28 v1(33.15,15.25) ; v1(44.04,15.25) 44.04,14.1 arc(44,13.99) 43.88,13.94 43.66,13.94 arc(43.55,13.89) 43.5,13.78 43.5,13.7 arc(43.55,13.59) 43.66,13.54 43.88,13.54 arc(44,13.49) 44.04,13.38 44.04,13.3 arc(44,13.19) 43.88,13.14 43.66,13.14 arc(43.55,13.09) 43.5,12.98 43.5,12.9 arc(43.55,12.79) 43.66,12.74 43.88,12.74 arc(44,12.69) 44.04,12.58 44.04,12.5 arc(44,12.39) 43.88,12.34 43.66,12.34 arc(43.55,12.29) 43.5,12.18 43.5,12.1 arc(43.55,11.99) 43.66,11.94 43.88,11.94 arc(44,11.89) 44.04,11.78 44.04,11.7 arc(44,11.59) 43.88,11.54 43.66,11.54 arc(43.55,11.49) 43.5,11.38 43.5,11.3 arc(43.55,11.19) 43.66,11.14 43.88,11.14 arc(44,11.09) 44.04,10.98 44.04,10.9 arc(44,10.79) 43.88,10.74 43.66,10.74 arc(43.55,10.69) 43.5,10.58 43.5,10.5 arc(43.55,10.39) 43.66,10.34 43.88,10.34 arc(44,10.29) 44.04,10.18 44.04,10.1 arc(44,9.99) 43.88,9.94 43.66,9.94 arc(43.55,9.89) 43.5,9.78 43.5,9.7 arc(43.55,9.59) 43.66,9.54 43.88,9.54 arc(44,9.49) 44.04,9.38 v1(44.04,8.83)
  In5.Cu w0.169: v1(33.15,15.25) 33.15,15.26 44.04,15.26 v1(44.04,15.25)
  Bottom w0.169: v1(38.2,31.13) 38.21,31.14 U1701.145 ; J2101.21 44.05,8.82 v1(44.04,8.83)
GLCD_G2: length 45.2
  Top w0.169: v1(43.56,8.32) 43.56,9.28 43.63,9.35 RN2102.14
  In2.Cu w0.169: v1(61.85,31.92) 61.47,31.92 60.25,30.7 60.25,17.23 60.93,16.55 60.93,13.17 54.58,6.82 44.22,6.82 43.56,7.48 v1(43.56,8.32)
  Bottom w0.169: v1(43.56,8.32) 43.55,8.31 J2101.22 ; U1701.74 61.83,31.94 v1(61.85,31.92)
GLCD_G3: length 48.2
  Top w0.169: RN2102.13 43.13,9.57 43.03,9.46 v1(43.03,8.83)
  In2.Cu w0.169: v1(43.05,13.6) 43.03,13.58 v1(43.03,8.83) ; v1(58.78,31.23) 54.25,31.23 51.1,28.08 51.1,19.56 arc(51.15,19.45) 51.27,19.4 51.49,19.4 arc(51.61,19.35) 51.65,19.23 51.65,19.14 arc(51.61,19.03) 51.49,18.98 50.72,18.98 arc(50.6,18.93) 50.55,18.81 50.55,18.72 arc(50.6,18.61) 50.72,18.56 51.49,18.56 arc(51.61,18.51) 51.65,18.39 51.65,18.3 arc(51.61,18.19) 51.49,18.14 50.72,18.14 arc(50.6,18.09) 50.55,17.97 50.55,17.88 arc(50.6,17.77) 50.72,17.72 51.49,17.72 arc(51.61,17.67) 51.65,17.55 51.65,17.46 arc(51.61,17.35) 51.49,17.3 50.72,17.3 arc(50.6,17.25) 50.55,17.13 50.55,17.04 arc(50.6,16.93) 50.72,16.88 51.49,16.88 arc(51.61,16.83) 51.65,16.71 51.65,16.62 arc(51.61,16.51) 51.49,16.46 50.72,16.46 arc(50.6,16.41) 50.55,16.29 50.55,16.2 arc(50.6,16.09) 50.72,16.04 50.94,16.04 arc(51.06,15.99) 51.1,15.87 v1(51.1,14.52)